# Altium PCB ASP-1.PcbDoc (part 2 of 3) (continued)
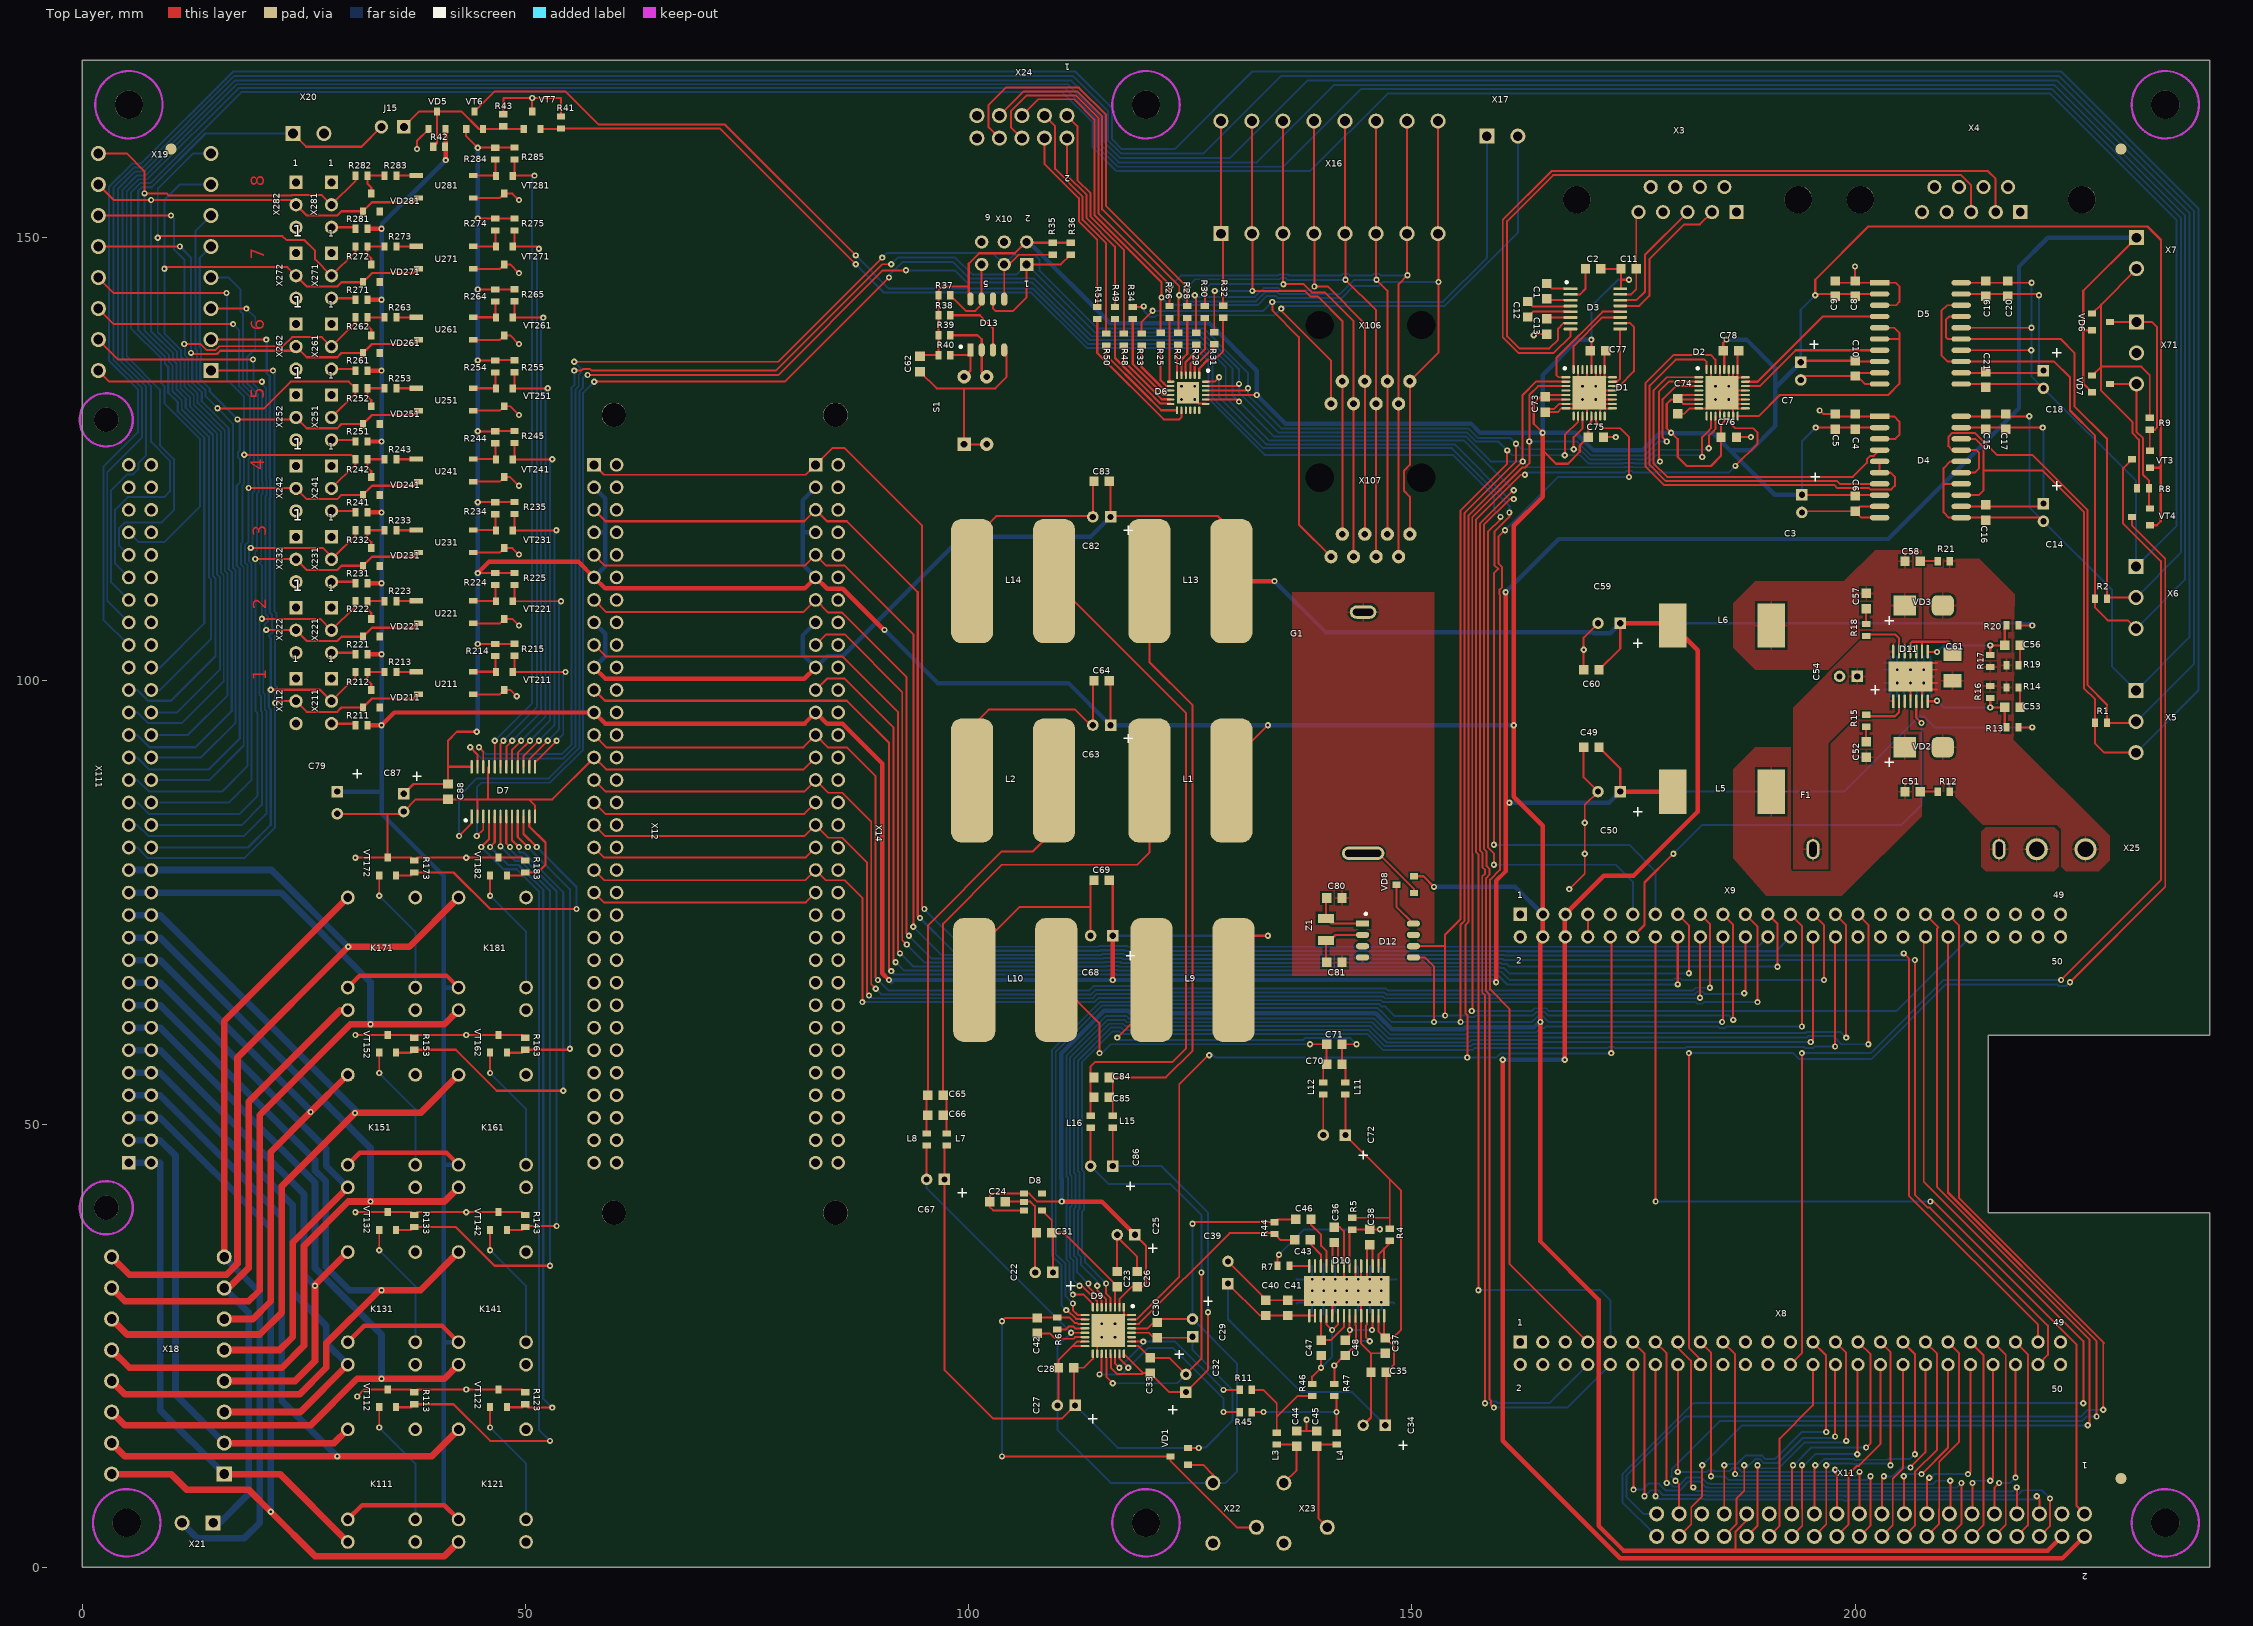
[diagram p0: Top Layer view]
## Nets (pads, with @x,y where several pads share a name; then routed paths per layer and width w, separated by ;. In a path a pad name is that pad's centre, name@x,y a point inside that pad or via, vN(x,y) a via of type N, cw(c..) or ccw(c..) an arc to the next point about the centre after c; other vN are vias at no path point) (continued)
  Top Layer w0.22: v1(19,115) 27.11,115 X231.2@28.25,113.86 ; X231.2@28.1,113.71 X231.2@28.25,113.86 ; R232.2@30.825,117 30.825,116.435 X231.2@28.25,113.86
  Bottom Layer w0.22: 8.77,86.27 16.52,86.27 19.085,88.835 19.085,113.203 18.82,113.468 18.82,114.82 v1(19,115) 19.19,115.19 19.19,121.228 19.43,121.468 19.43,122.032 19.37,122.092 19.37,132.174 18.13,133.414 18.13,141.408 17.82,141.718 17.82,144.18 16.5,145.5 X19.7@14.5,145.5
IN_P4: R242.2 X19.8 X111.B18 X241.2 | length 96.6
  Top Layer w0.22: X19.8@1.8,145.5 3.55,143.75 v1(16.25,143.75) ; v1(18.25,125.5) 30.325,125.5 R242.2@30.825,125 30.825,124.435 X241.2@28.1,121.71
  Bottom Layer w0.22: X111.B18@7.77,88.81 14.31,88.81 18.205,92.705 18.205,112.839 17.88,113.164 17.88,115.464 18.07,115.654 18.07,122.032 18.25,122.212 18.25,123.75 v1(18.25,125.5) 18.25,132.049 16.32,133.979 16.32,143.68 v1(16.25,143.75)
IN_P5: R252.2 X19.11 X111.B19 X251.2 | length 92.6
  Top Layer w0.22: v1(15.25,130.75) 20.5,130.75 23.5,133.75 30.075,133.75 R252.2@30.825,133 30.825,132.435 X251.2@28.1,129.71
  Bottom Layer w0.22: X111.B19@7.77,91.35 13.35,91.35 17.295,95.295 17.295,112.462 16.97,112.787 16.97,129.03 v1(15.25,130.75) 13.91,132.09 13.91,132.759 12.85,133.819 12.85,136.181 12.93,136.261 12.93,137.282 12.75,137.462 12.75,150.75 X19.11@14.5,152.5
IN_P6: R262.2 X19.12 X111.B20 X261.2 | length 97.8
  Top Layer w0.22: X19.12@1.8,152.5 v1(10,152.5) ; v1(11.5,138) 13.331,138 14.011,137.32 14.989,137.32 15.419,137.75 22.613,137.75 23.653,138.79 27.02,138.79 X261.2@28.1,137.71 30.825,140.435 R262.2@30.825,141
  Bottom Layer w0.22: X111.B20@7.77,93.89 11.89,93.89 16.385,98.385 16.385,112.085 16.06,112.41 16.06,128.297 13,131.357 13,132.382 11.94,133.442 11.94,136.348 11.57,136.718 11.57,137.93 v1(11.5,138) 11.5,147.538 10.32,148.718 10.32,152.18 v1(10,152.5)
IN_P7: R272.2 X19.15 X111.B21 X271.2 | length 101
  Top Layer w0.22: v1(8.5,150) 8.68,150.18 22.57,150.18 23,149.75 25,149.75 26.25,148.5 26.25,147.56 X271.2@28.1,145.71 30.825,148.435 R272.2@30.825,149
  Bottom Layer w0.22: X111.B21@7.77,96.43 10.68,96.43 15.5,101.25 15.5,111.725 15.18,112.045 15.18,127.932 12.12,130.992 12.12,132.017 11.06,133.077 11.06,135.984 10.69,136.354 10.69,137.134 8.5,139.324 v1(8.5,150) 8.5,155.5 12.5,159.5 X19.15@14.5,159.5
IN_P8: R282.2 X19.16 X111.B22 X281.2 | length 97.1
  Top Layer w0.22: X19.16@1.8,159.5 5,159.5 7,157.5 v1(7,155) 9.5,155 9.75,154.75 23.613,154.75 23.653,154.79 27.02,154.79 X281.2@28.1,153.71 30.825,156.435 R282.2@30.825,157
  Bottom Layer w0.22: v1(7,155) 7,139.537 9.78,136.757 9.78,135.977 10.15,135.607 10.15,132.7 11.21,131.64 11.21,130.615 14.27,127.555 14.27,111.669 14.5,111.439 14.5,104.7 8.77,98.97 X111.B22@7.77,98.97
LCD_AIN0_X+: X9.39 X11.39 | length 126.7
  Top Layer w0.22: X9.39@210.485,73.656 211.75,72.391 211.75,41.628 228.064,25.314 228,25.25 v1(228,17.75)
  Bottom Layer w0.22: X11.39@177.62,6.02 176.108,6.02 174.19,7.938 174.19,10.318 180.872,17 225.5,17 226.25,17.75 v1(228,17.75)
LCD_AIN1_X-: X9.40 X11.37 | length 116.9
  Top Layer w0.22: v1(179.75,9.75) 180.16,9.34 X11.37@180.16,6.02 ; X9.40@210.485,71.116 210.485,42.27 227.25,25.505 v1(227.25,17)
  Bottom Layer w0.22: v1(179.75,9.75) 179.25,10.25 179.32,10.32 179.32,11.032 184.788,16.5 225.622,16.5 226.122,17 v1(227.25,17)
LCD_AIN2_Y+: X9.37 X11.38 | length 120
  Top Layer w0.22: X11.38@180.16,3.48 181.52,4.84 181.52,6.77 182.75,8 v1(182.75,11.5) ; X9.37@207.945,73.656 209.405,72.196 209.25,72.041 209.25,42.883 226.43,25.703 226.43,16.07 226.36,16 v1(226.25,16)
  Bottom Layer w0.22: v1(182.75,11.5) 187.25,16 v1(226.25,16)
LCD_AIN3_Y-: X9.38 X11.40 | length 124.1
  Top Layer w0.22: X9.38@207.945,71.116 207.75,70.921 207.75,43.5 225.75,25.5 v1(225.75,18.5)
  Bottom Layer w0.22: X11.40@177.62,3.48 173.75,7.35 173.75,10.5 181.75,18.5 v1(225.75,18.5)
LCD_B0_VO: X8.19 X11.21 | length 34.9
  Top Layer w0.22: X8.19@185.085,25.396 186.468,24.013 v1(186.468,10.52) ; X11.21@200.48,6.02 200.48,10.73 v1(200.5,10.75)
  Bottom Layer w0.22: v1(186.468,10.52) 186.468,10.468 186.28,10.28 200.03,10.28 v1(200.5,10.75)
LCD_B1_CS1: X8.17 X11.22 | length 41.3
  Top Layer w0.22: X8.17@182.545,25.396 183.75,24.191 v1(183.75,10.25) ; X11.22@200.48,3.48 201.75,4.75 ; 201.75,4.75 v1(201.75,10.25)
  Bottom Layer w0.22: v1(183.75,10.25) 185.288,10.25 185.698,9.84 201.34,9.84 v1(201.75,10.25)
LCD_B2_CS2: X8.16 X11.23 | length 35.5
  Top Layer w0.22: v1(180,10.75) 180,22.851 X8.16@180.005,22.856 ; v1(197.75,11) 197.75,10.63 197.94,10.44 X11.23@197.94,6.02
  Bottom Layer w0.22: v1(180,10.75) 183.288,10.75 183.468,10.93 184.031,10.93 184.141,10.82 185.807,10.82 186.187,11.2 186.75,11.2 187.23,10.72 197.182,10.72 197.462,11 v1(197.75,11)
LCD_B3: X8.34 X11.24 | length 21.5
  Top Layer w0.22: X11.24@197.94,3.48 199.25,4.79 199.25,10.462 200.218,11.43 200.43,11.43 202.865,13.865 X8.34@202.865,22.856
LCD_B4: X8.35 X11.25 | length 30.6
  Top Layer w0.22: X11.25@195.4,6.02 195.4,11.4 v1(195.5,11.5) ; X8.35@205.405,25.396 206.75,24.051 v1(206.75,12.75)
  Bottom Layer w0.22: v1(195.5,11.5) 195.788,11.5 196.468,12.18 199.858,12.18 199.968,12.07 200.532,12.07 200.582,12.12 203.658,12.12 203.718,12.18 206.18,12.18 v1(206.75,12.75)
LCD_B5: X8.33 X11.26 | length 30.4
  Top Layer w0.22: X11.26@195.4,3.48 196.75,4.83 ; 196.75,4.83 v1(196.75,11.5) ; X8.33@202.865,25.396 204,24.261 v1(204,11.5)
  Bottom Layer w0.22: v1(196.75,11.5) 196.93,11.68 199.736,11.68 199.786,11.63 200.714,11.63 200.764,11.68 203.82,11.68 v1(204,11.5)
LCD_B6: X8.31 X11.27 | length 27.4
  Top Layer w0.22: X11.27@192.86,6.02 192.86,11.36 v1(193,11.5) ; X8.31@200.325,25.396 200.354,25.396 201.75,24 201.75,14 v1(201.25,13.5)
  Bottom Layer w0.22: v1@193,11.462 v1(193,11.5) ; v1@193,11.462 195.038,13.5 v1(201.25,13.5)
LCD_B7: X8.32 X11.28 | length 25.4
  Top Layer w0.22: X11.28@192.86,3.48 194.04,4.66 194.04,6.549 194,6.589 v1(194,11.5) ; v1(200.25,12.75) 200.25,22.781 X8.32@200.325,22.856
  Bottom Layer w0.22: v1(194,11.5) 194.25,11.5 195.5,12.75 v1(200.25,12.75)
LCD_DE_E: X8.30 X11.34 | length 29.2
  Top Layer w0.22: X11.34@185.24,3.48 186.6,4.84 186.6,7.701 187.5,8.6 v1(187.5,11.5) ; v1(197.75,14.75) 197.75,22.821 X8.30@197.785,22.856
  Bottom Layer w0.22: v1(187.5,11.5) 187.538,11.5 187.788,11.25 188.718,12.18 189.281,12.18 189.711,11.75 191.25,11.75 194.07,14.57 197.57,14.57 v1(197.75,14.75)
LCD_G0_A0: X8.13 X11.13 | length 53.3
  Top Layer w0.22: X8.13@177.465,25.396 178.75,24.111 v1(178.75,9.5) ; X11.13@210.64,6.02 210.75,6.13 v1(210.75,9.75)
  Bottom Layer w0.22: v1(178.75,9.5) 179.038,9.5 179.468,9.07 180.031,9.07 180.43,9.468 180.43,9.514 181.036,10.12 182.668,10.12 183.338,9.45 183.661,9.45 183.711,9.4 208.812,9.4 209.162,9.75 v1(210.75,9.75)
LCD_G1_R/W: X8.12 X11.14 | length 59.3
  Top Layer w0.22: X8.12@174.925,22.856 175,22.781 v1(175,8.75) ; X11.14@210.64,3.48 212,4.84 v1(212,9.5)
  Bottom Layer w0.22: v1(175,8.75) 176,8.75 176.68,9.43 177.858,9.43 178.658,8.63 180.214,8.63 180.87,9.286 180.87,9.331 181.218,9.68 182.486,9.68 183.156,9.01 183.479,9.01 183.529,8.96 211.46,8.96 v1(212,9.5)
LCD_G2: X8.42 X11.15 | length 21.2
  Top Layer w0.22: X11.15@208.1,6.02 208.1,9.85 208.33,10.08 v1(208.381,10.08) ; v1(212.75,10.5) 213.025,10.775 X8.42@213.025,22.856
  Bottom Layer w0.22: v1(208.381,10.08) 208.53,10.08 208.95,10.5 v1(212.75,10.5)
LCD_G3: X8.39 X11.16 | length 24
  Top Layer w0.22: X11.16@208.1,3.48 209.46,4.84 209.46,6.549 209.5,6.589 209.5,11.878 211.75,14.128 211.75,24.131 X8.39@210.485,25.396
LCD_G4: X8.40 X11.17 | length 20
  Top Layer w0.22: v1(205.5,10.25) 205.5,6.08 X11.17@205.56,6.02 ; v1(207.5,10.5) 210.485,13.485 X8.40@210.485,22.856
  Bottom Layer w0.22: v1(205.5,10.25) 205.75,10.5 v1(207.5,10.5)
LCD_G5: X8.37 X11.18 | length 24
  Top Layer w0.22: X11.18@205.56,3.48 206.75,4.67 206.75,10.75 209.25,13.25 209.25,24.091 X8.37@207.945,25.396
LCD_G6: X8.38 X11.19 | length 20
  Top Layer w0.22: X11.19@203.02,6.02 203.02,10.02 v1(203.25,10.25) ; v1(206.25,11.25) 207.945,12.945 X8.38@207.945,22.856
  Bottom Layer w0.22: v1(203.25,10.25) 204.25,10.25 205.25,11.25 v1(206.25,11.25)
LCD_G7: X8.36 X11.20 | length 20.4
  Top Layer w0.22: X11.20@203.02,3.48 204.25,4.71 204.25,9.962 205.405,11.117 X8.36@205.405,22.856
LCD_HSYNC: X8.29 X11.32 | length 31.7
  Top Layer w0.22: X11.32@187.78,3.48 189,4.7 v1(189,11.5) ; X8.29@197.785,25.396 199,24.181 v1(199,14.25)
  Bottom Layer w0.22: v1(189,11.5) 189,11.32 189.16,11.16 191.41,11.16 194.32,14.07 198.82,14.07 v1(199,14.25)
LCD_PCLK_RST: X8.28 X11.30 | length 21.4
  Top Layer w0.22: X11.30@190.32,3.48 191.5,4.66 191.5,14.5 195.245,18.245 X8.28@195.245,22.856
LCD_R0_DB0: X8.14 X11.5 | length 60.4
  Top Layer w0.22: X8.14@177.465,22.856 177.5,22.821 v1(177.5,8) ; v1(220.5,8) 220.8,7.7 X11.5@220.8,6.02
  Bottom Layer w0.22: v1(177.5,8) 177.81,7.69 182.932,7.69 182.982,7.64 188.451,7.64 188.465,7.626 189.194,7.626 189.207,7.64 198.611,7.64 198.731,7.52 199.095,7.52 199.215,7.64 220.14,7.64 v1(220.5,8)
LCD_R1_DB1: X8.11 X11.6 | length 69.7
  Top Layer w0.22: X8.11@174.925,25.396 176.25,24.071 v1(176.25,8) ; X11.6@220.8,3.48 222,4.68 v1(222,7.75)
  Bottom Layer w0.22: v1(176.25,8) 176.93,8.68 177.782,8.68 178.332,8.13 183.115,8.13 183.165,8.08 188.633,8.08 188.647,8.066 189.011,8.066 189.025,8.08 198.793,8.08 198.913,7.96 199.033,8.08 218.292,8.08 218.892,8.68 221.07,8.68 v1(222,7.75)
LCD_R2_DB2: X8.15 X11.7 | length 57.1
  Top Layer w0.22: X8.15@180.005,25.396 180.005,24.774 181.465,23.314 181.465,9.285 v1(181.75,9) ; v1(218.25,9) 218.26,8.99 X11.7@218.26,6.02
  Bottom Layer w0.22: v1(181.75,9) 181.75,8.884 182.063,8.57 183.297,8.57 183.347,8.52 188.816,8.52 188.829,8.506 188.843,8.52 217.77,8.52 v1(218.25,9)
LCD_R3_DB3: X8.45 X11.8 | length 23
  Top Layer w0.22: X8.45@218.105,25.396 219.5,24.001 219.5,4.72 X11.8@218.26,3.48
LCD_R4_DB4: X8.46 X11.9 | length 18.6
  Top Layer w0.22: X11.9@215.72,6.02 215.72,8.97 v1(216.25,9.5) ; v1(218.105,10.105) X8.46@218.105,22.856
  Bottom Layer w0.22: v1(216.25,9.5) 217.5,9.5 v1(218.105,10.105)
LCD_R5_DB5: X8.43 X11.10 | length 23
  Top Layer w0.22: X8.43@215.565,25.396 217,23.961 217,4.76 X11.10@215.72,3.48
LCD_R6_DB6: X8.44 X11.11 | length 18.8
  Top Layer w0.22: X11.11@213.18,6.02 213.25,6.09 v1(213.25,9.5) ; v1(215.25,9.75) 215.565,10.065 X8.44@215.565,22.856
  Bottom Layer w0.22: v1(213.25,9.5) 213.5,9.75 v1(215.25,9.75)
LCD_R7_DB7: X8.41 X11.12 | length 23.1
  Top Layer w0.22: X8.41@213.025,25.396 214.485,23.936 214.485,22.409 214.5,22.394 214.5,4.8 X11.12@213.18,3.48
LCD_VSYNC: X8.27 X11.33 | length 29.7
  Top Layer w0.22: X11.33@185.24,6.02 185.24,11.49 v1(185.25,11.5) ; X8.27@195.245,25.396 196.705,23.936 196.705,15.295 v1(196.75,15.25)
  Bottom Layer w0.22: v1(185.25,11.5) 185.39,11.64 186.678,11.64 187.658,12.62 189.464,12.62 189.894,12.19 190.94,12.19 194,15.25 v1(196.75,15.25)
MMC1_CLK: X8.21
MMC1_CMD: X8.20
MMC1_DAT0: X8.25
MMC1_DAT1: X8.24
MMC1_DAT2: X8.5
MMC1_DAT3: X8.6
MMC1_DAT4: X8.23
MMC1_DAT5: X8.22
MMC1_DAT6: X8.3
MMC1_DAT7: X8.4
NetC1_1: C1.1 D3.1 | length 2.9
  Top Layer w0.22: C1.1@165.2,144.84 165.79,144.25 D3.1@167.9,144.25
NetC1_2: C1.2 D3.3 | length 2.8
  Top Layer w0.22: C1.2@165.2,143.11 165.36,142.95 D3.3@167.9,142.95
NetC2_1: C2.1 D3.2 | length 4.2
  Top Layer w0.22: D3.2@167.9,143.6 168.975,143.6 169.585,144.21 C2.1@169.585,146.475
NetC12_1: C12.1 D3.4 | length 5.1
  Top Layer w0.22: C12.1@163.05,142.79 163.585,142.255 167.9,142.255 D3.4@167.9,142.3
NetC12_2: C12.2 D3.5 | length 5.1
  Top Layer w0.22: C12.2@163.05,141.06 163.685,141.695 167.855,141.695 D3.5@167.9,141.65
NetC13_2: C13.2 D3.6 | length 2.8
  Top Layer w0.22: C13.2@165.2,140.84 165.36,141 D3.6@167.9,141
NetC14_1: C14.1 C15.2 C16.2 C17.2 D4.12 D4.19 | length 27.2
  Top Layer w0.22: D4.12@211.975,119.682 220.932,119.682 C14.1@221.25,120 ; D4.19@211.975,128.572 v1(221.178,128.572)
  Bottom Layer w0.22: v1(221.178,128.572) 221.25,128.5 C14.1@221.25,120
NetC14_2: C14.2 C15.1 C16.1 C17.1 D4.11 D4.14 D4.16 D4.20 X5.1 X111.A26 | length 425.6
  Top Layer w0.22: D4.14@211.975,122.222 210.028,122.222 210,122.25 ; D4.16@211.975,124.762 210.762,124.762 210,124 210,122.25 ; D4.20@211.975,129.842 v1(219.658,129.842) ; C14.2@221.25,118 220.838,118.412 D4.11@211.975,118.412 210.588,118.412 210,119 210,122.25
  Bottom Layer w0.22: X111.A26@5.23,109.13 3.245,111.115 3.245,121.495 5.015,123.265 5.688,123.265 6.335,123.912 6.335,124.585 7.182,125.432 7.182,133.19 4,136.372 4,155.493 5.977,157.47 6.975,157.47 17.255,167.75 111.5,167.75 115.29,163.96 115.29,160.749 117.039,159 129.5,159 138.25,167.75 222.75,167.75 237.75,152.75 237.75,104.95 X5.1@231.7,98.9 229,101.6 229,110.25 C14.2@221.25,118 219.658,119.592 v1(219.658,129.842)
NetC18_1: C18.1 C19.2 C20.2 C21.2 D5.12 D5.19 | length 26.9
  Top Layer w0.22: D5.12@211.975,134.757 221.007,134.757 C18.1@221.25,135 ; D5.19@211.975,143.647 220.603,143.647 v1(220.75,143.5)
  Bottom Layer w0.22: v1(220.75,143.5) 220.75,135.5 C18.1@221.25,135
NetC18_2: C18.2 C19.1 C20.1 C21.1 D5.11 D5.14 D5.16 D5.20 X6.1 X111.A29 | length 410.3
  Top Layer w0.22: D5.11@211.975,133.487 220.763,133.487 C18.2@221.25,133 ; D5.14@211.975,137.297 v1(219.87,137.297) ; D5.16@211.975,139.837 v1(219.913,139.837) ; D5.20@211.975,144.917 v1(219.917,144.917)
  Bottom Layer w0.22: X111.A29@5.23,116.75 6.335,115.645 9.228,115.645 13.25,119.667 13.25,127.288 9.24,131.298 9.24,133.249 8.87,133.619 8.87,136.38 5.5,139.75 5.5,155.126 6.524,156.15 7.65,156.15 17.93,166.43 110.57,166.43 113.97,163.03 113.97,160.202 116.672,157.5 138.5,157.5 147.25,166.25 222,166.25 236.25,152 236.25,117.45 X6.1@231.7,112.9 231.7,122.55 C18.2@221.25,133 219.917,134.333 v1@219.917,137.25 ; v1(219.87,137.297) v1@219.917,137.25 ; v1(219.913,139.837) v1@219.917,139.833 ; v1(219.917,144.917) v1@219.917,139.833 ; v1@219.917,137.25 v1@219.917,139.833
NetC38_2: C38.2 D10.7 R5.2 R7.2 | length 21.3
  Top Layer w0.22: R7.2@134.825,34 134.825,35.075 v1(135,35.25) ; D10.7@142.975,33.975 142.975,37.8 R5.2@143.25,38.075 143.29,38.115 C38.2@145.25,38.115 v1(146.385,38.115)
  Bottom Layer w0.22: v1(135,35.25) 137.865,38.115 v1(146.385,38.115)
NetC42_1: C42.1 D9.11 R6.2 VD1.3 X22.2 | length 57.4
  Top Layer w0.22: v1(103.75,12.5) VD1.3@122.75,12.5 122.75,12 130.25,4.5 X22.2@132.45,4.5 ; v1(103.75,27.75) 104.115,28.115 C42.1@107.75,28.115 107.81,28.175 R6.2@110,28.175 111.33,28.175 111.935,27.57 112.18,27.57 112.3,27.45 D9.11@113.125,27.45
  Bottom Layer w0.22: v1(103.75,12.5) v1(103.75,27.75)
NetC42_2: C42.2 D9.14 | length 5.7
  Top Layer w0.22: C42.2@107.75,26.385 109.148,26.385 109.763,25.77 111.832,25.77 112.012,25.95 D9.14@113.125,25.95
NetC43_1: C43.1 D10.12 | length 3.5
  Top Layer w0.22: C43.1@138.515,36.925 138.515,36.485 139.725,35.275 D10.12@139.725,33.975
NetC43_2: C43.2 D9.30 R44.2 | length 23
  Top Layer w0.22: D9.30@118.375,27.45 119.2,27.45 129.44,37.69 134.385,37.69 R44.2@134.5,37.575 135.15,36.925 C43.2@136.785,36.925
NetC44_1: C44.1 L3.2 X23.1 | length 7.1
  Top Layer w0.22: L3.2@134.75,13.825 136.81,13.825 C44.1@137,13.635 137,10.95 X23.1@135.55,9.5
NetC45_1: C45.1 L4.2 X23.2 | length 11.8
  Top Layer w0.22: X23.2@140.45,4.5 139.44,5.51 139.44,13.825 L4.2@141.5,13.825
NetC46_1: C46.1 D10.11 | length 6
  Top Layer w0.22: C46.1@138.615,39.25 138.615,38.635 139.75,37.5 139.75,36.25 140.375,35.625 D10.11@140.375,33.975
NetC47_1: C47.1 D10.18 D10.20 R46.1 | length 12.2
  Top Layer w0.22: R46.1@138.75,20.675 138.75,21.5 v1(139.75,22.5) C47.1@139.75,23.885 ; D10.18@140.375,28.375 140.375,27.375 v1(141,26.75) 141.675,27.425 D10.20@141.675,28.375
  Bottom Layer w0.22: v1(139.75,22.5) 141,23.75 v1(141,26.75)
NetC47_2: C47.2 D10.17 D10.21 | length 7.3
  Top Layer w0.22: D10.17@139.725,28.375 139.75,28.35 C47.2@139.75,25.615 140.865,25.615 142.325,27.075 D10.21@142.325,28.375
NetC48_1: C48.1 D10.23 D10.25 R47.1 | length 17.2
  Top Layer w0.22: R47.1@141.15,20.775 R47.1@141.25,20.675 v1(141.25,22.75) 142.385,23.885 C48.1@142.5,23.885 143.68,25.065 143.68,27.25 143.625,27.305 D10.23@143.625,28.375 ; D10.25@144.925,28.375 144.925,27.355 144.82,27.25 144.82,25.93 v1(145.25,25.5)
  Bottom Layer w0.22: v1(141.25,22.75) 144,25.5 v1(145.25,25.5)
NetC48_2: C48.2 D10.22 D10.26 | length 7.1
  Top Layer w0.22: C48.2@142.5,25.615 142.975,26.09 D10.22@142.975,28.375 ; v1(145.5,26.75) 145.575,26.825 D10.26@145.575,28.375
  Bottom Layer w0.22: v1(143,26.75) v1(145.5,26.75)
NetC51_1: C51.1 R12.2 | length 2
  Top Layer w0.25: C51.1@207.365,87.5 R12.2@209.325,87.5
NetC51_2: C51.2 C52.1 D11.3 L5.2 VD2.2
NetC52_2: C52.2 R15.1 | length 1.7
  Top Layer w0.25: C52.2@201.25,93.115 R15.1@201.25,94.825
NetC53_1: C53.1 R14.2 | length 2.3
  Top Layer w0.25: R14.2@218.425,99.25 218.615,99.06 C53.1@218.615,97
NetC53_2: C53.2 D11.7 R13.1 R16.2 | length 12.4
  Top Layer w0.25: D11.7@208.2,97.7 209.2,97.7 v1(209.25,97.75) ; R16.2@215.25,98.075 v1(215.25,97) C53.2@216.885,97 216.885,94.94 R13.1@217.075,94.75
  Bottom Layer w0.25: v1(209.25,97.75) 210,97 v1(215.25,97)
NetC56_1: C56.1 R19.2 | length 2.3
  Top Layer w0.25: R19.2@218.425,101.75 218.615,101.94 C56.1@218.615,104
NetC56_2: C56.2 D11.8 R17.2 R20.2 | length 12.4
  Top Layer w0.25: D11.8@208.2,103.3 208.25,103.25 v1(209.25,103.25) ; R17.2@215.25,102.925 v1(215.25,104) C56.2@216.885,104 216.885,106.06 R20.2@217.075,106.25
  Bottom Layer w0.25: v1(209.25,103.25) 210,104 v1(215.25,104)
NetC57_1: C57.1 R18.2 | length 1.7
  Top Layer w0.25: R18.2@201.25,106.425 C57.1@201.25,108.135
NetC57_2: C57.2 C58.2 D11.12 L6.1 VD3.2
NetC58_1: C58.1 R21.2 | length 2
  Top Layer w0.22: C58.1@207.365,113.5 R21.2@209.325,113.5
NetC61_1: C61.1 D11.9 D11.11 | length 8.1
  Top Layer w0.25: D11.11@206.25,103.3 206.25,104.25 206.42,104.42 207.5,104.42 ; D11.9@207.55,103.3 207.55,104.37 207.5,104.42 ; C61.1@211,103 211,104 210.58,104.42 207.5,104.42
NetC65_1: C65.1 C66.1 L2.2 L8.1 | length 47.8
  Top Layer w0.22: L8.1@95.25,48.925 95.25,53.115 C65.1@95.385,53.25 95.385,72.385 103.75,80.75 107.25,80.75 109.625,83.125 L2.2@109.625,88.75
NetC65_2: C65.2 C66.2 L1.2 L7.1 | length 58.6
  Top Layer w0.22: L7.1@97.5,48.925 97.5,52.865 C65.2@97.115,53.25 97.115,72.615 103.75,79.25 119,79.25 120.375,80.625 L1.2@120.375,88.75
NetC70_1: C70.1 C71.1 L10.2 L12.1 | length 40.8
  Top Layer w0.22: L10.2@109.875,66.25 114.75,61.375 v1(114.75,58) ; v1(138.5,59) C71.1@140.385,59 C70.1@140.385,56.75 140,56.365 L12.1@140,54.675
  Bottom Layer w0.22: v1(114.75,58) 115,58 116,59 v1(138.5,59)
NetC70_2: C70.2 C71.2 L9.2 L11.1 | length 41.7
  Top Layer w0.22: v1(116.75,59.75) 120.625,63.625 L9.2@120.625,66.25 ; L11.1@142.5,54.675 142.5,56.365 C70.2@142.115,56.75 C71.2@142.115,59 v1(143.75,59)
  Bottom Layer w0.22: v1(116.75,59.75) 117,59.5 137.75,59.5 137.93,59.68 143.07,59.68 v1(143.75,59)
NetC80_1: C80.1 D12.1 Z1.1 | length 6.7
  Top Layer w0.22: C80.1@140.385,75.5 140.3,75.415 Z1.1@140.3,73.2 140.895,72.605 D12.1@144.43,72.605
NetC81_1: C81.1 D12.2 Z1.2 | length 7.1
  Top Layer w0.25: Z1.2@140.3,70.7 Z1.2@140.3,70.25 ; C81.1@140.385,68.25 140.3,68.335 Z1.2@140.3,70.25 ; D12.2@144.43,71.335 141.385,71.335 Z1.2@140.3,70.25
NetC84_1: C84.1 C85.1 L14.2 L16.1 | length 76.1
  Top Layer w0.22: L14.2@109.625,111.25 124.5,96.375 124.5,58.5 123,57 114.25,57 113.75,56.5 113.75,54 L16.1@113.75,50.925
NetC84_2: C84.2 C85.2 L13.2 L15.1 | length 70.1
  Top Layer w0.22: L15.1@116.25,50.925 116.25,54.865 C84.2@115.865,55.25 122.25,55.25 125.25,58.25 125.25,97.25 120.375,102.125 L13.2@120.375,111.25
NetD1_1: D1.1 D3.12 | length 12.5
  Top Layer w0.22: D1.1@167.375,134.25 166.55,134.25 166.3,134.5 166.3,136.425 171.525,141.65 D3.12@173.5,141.65
NetD1_14: D1.14 X8.7 | length 123.3
  Top Layer w0.22: v1(160.5,117) 159.75,116.25 159.75,113.25 160.19,112.81 160.19,110.582 159.89,110.282 159.89,109.718 159.93,109.678 159.93,78.68 158.82,77.57 158.82,65.18 161,63 161,34.241 X8.7@169.845,25.396 ; D1.14@170.75,129.875 170.795,129.83 170.795,129.205 171.5,128.5 173.5,128.5 174.5,127.5 v1(174.5,123)
  Bottom Layer w0.22: v1(160.5,117) 166.5,123 v1(174.5,123)
NetD1_22: D1.22 D3.10 | length 10.6
  Top Layer w0.22: 173.377,133.205 172.67,133.205 D1.22@172.625,133.25 173.375,133.25 175.05,134.925 175.05,139.925 174.625,140.35 D3.10@173.5,140.35
NetD1_23: D1.23 D3.9 | length 6.6
  Top Layer w0.22: D1.23@172.625,133.75 172.67,133.795 173.189,133.795 173.5,134.107 D3.9@173.5,139.7
NetD1_32: D1.32 D3.11 | length 9.2
  Top Layer w0.22: D1.32@168.25,135.125 168.25,137.753 171.497,141 D3.11@173.5,141
NetD2_1: D2.1 D4.4 | length 41.6
  Top Layer w0.22: D2.1@182.375,134.25 178.75,134.25 177.25,132.75 177.25,124.538 178.788,123 199.743,123 201.345,124.602 201.345,125.023 201.714,125.392 202.135,125.392 D4.4@202.775,126.032
NetD2_14: D2.14 X8.9 | length 148.2
  Top Layer w0.22: v1(157.5,31.25) 157.5,80.421 157.25,80.671 157.25,118.211 162.288,123.25 v1(162.75,123.25) ; D2.14@185.75,129.875 185.75,129.25 186.5,128.5 188.5,128.5 189,128 189,126.75 v1(186.5,124.25)
  Bottom Layer w0.22: v1(157.5,31.25) 171.25,31.25 172.385,30.115 X8.9@172.385,25.396 ; v1(162.75,123.25) 163,123.5 174.038,123.5 174.218,123.68 174.782,123.68 174.962,123.5 185.75,123.5 v1(186.5,124.25)
NetD2_16: D2.16 D5.5 D5.6 | length 30.2
  Top Layer w0.22: 189.125,129.875 191.5,132.25 203.75,132.25 205,133.5 205,138.5 ; D5.6@202.775,138.567 204.933,138.567 205,138.5 ; D5.5@202.775,139.837 204.413,139.837 205,139.25 205,138.5
  Top Layer w0.25: D2.16@186.75,129.875 189.125,129.875
NetD2_22: D2.22 D5.7 | length 16.8
  Top Layer w0.25: D2.22@187.625,133.25 189.25,133.25 193.297,137.297 D5.7@202.775,137.297
NetD2_23: D2.23 D5.4 | length 18.2
  Top Layer w0.25: D2.23@187.625,133.75 189,133.75 196.357,141.107 D5.4@202.775,141.107
NetD2_30: D2.30 D4.5 D4.6 | length 53.5
  Top Layer w0.22: D2.30@184.25,135.125 184.25,136.25 183.75,136.75 179.5,136.75 176.37,133.62 176.37,124.174 178.424,122.12 197.63,122.12 198,121.75 201.556,121.75 201.714,121.592 204.092,121.592 204.5,122 204.5,123 204.008,123.492 D4.6@202.775,123.492 D4.5@202.775,124.762
NetD2_32: D2.32 D4.7 | length 44.4
  Top Layer w0.22: D2.32@183.25,135.125 183.25,136 183,136.25 179.75,136.25 176.81,133.31 176.81,124.356 178.606,122.56 197.94,122.56 198.278,122.222 D4.7@202.775,122.222
NetD3_7: D3.7 X4.3 | length 80.7
  Top Layer w0.22: D3.7@167.9,140.35 167.1,140.35 166.5,139.75 166.5,138.5 165.5,137.5 162.122,137.5 160.75,138.872 160.75,151.878 165.932,157.06 211.973,157.06 213.1,155.933 X4.3@213.1,152.88
NetD3_8: D3.8 X4.2 | length 85.2
  Top Layer w0.22: D3.8@167.9,139.7 167.9,138.9 166,137 162,137 160.25,138.75 160.25,152 165.75,157.5 215,157.5 215.87,156.63 X4.2@215.87,152.88
NetD3_13: D3.13 X3.2 | length 17.2
  Top Layer w0.22: D3.13@173.5,142.3 175.675,142.3 176.8,143.425 176.8,147.55 180.75,151.5 182.49,151.5 X3.2@183.87,152.88
NetD3_14: D3.14 X3.3 | length 14.1
  Top Layer w0.22: D3.14@173.5,142.95 175.325,142.95 176.3,143.925 176.3,148.08 X3.3@181.1,152.88
NetD4_13: D4.13 D4.18 R1.2 X5.3 X111.A24 | length 432.4
  Top Layer w0.22: D4.13@211.975,120.952 213.952,120.952 214.5,121.5 214.5,123.75 ; D4.18@211.975,127.302 213.576,127.302 214.5,126.378 214.5,123.75 ; X5.3@231.7,91.9 228.1,91.9 227.075,92.925 R1.2@227.075,95.25 227.075,97.925 225.81,99.19 225.81,119.068 221.128,123.75 214.5,123.75
  Bottom Layer w0.22: X111.A24@5.23,104.05 2.365,106.915 2.365,114.25 2.362,114.253 2.362,124.142 6.25,128.03 6.25,132.878 3,136.128 3,155.738 5.612,158.35 6.6,158.35 17,168.75 112,168.75 116.17,164.58 116.17,161.113 117.283,160 123.25,160 132,168.75 223.25,168.75 238.75,153.25 238.75,98.95 X5.3@231.7,91.9
NetD4_15: D4.15 D4.17 R1.1 X5.2 X111.A25 | length 425.4
  Top Layer w0.22: D4.15@211.975,123.492 213.492,123.492 214,124 214,125.75 213.718,126.032 D4.17@211.975,126.032 210.968,126.032 210.5,126.5 210.545,126.545 210.545,127.563 210.924,127.942 213.558,127.942 216,125.5 220,125.5 226.25,119.25 226.25,99.5 228.425,97.325 R1.1@228.425,95.25 231.55,95.25 X5.2@231.7,95.4
  Bottom Layer w0.22: X111.A25@5.23,106.59 2.805,109.015 2.805,123.555 6.742,127.492 6.742,133.008 3.5,136.25 3.5,155.615 5.795,157.91 6.793,157.91 17.133,168.25 111.75,168.25 115.73,164.27 115.73,160.931 117.161,159.5 126.5,159.5 135.25,168.25 223,168.25 238.25,153 238.25,101.95 X5.2@231.7,95.4
NetD5_13: D5.13 D5.18 R2.2 X6.3 X111.A27 | length 409.1
  Top Layer w0.22: D5.18@211.975,142.377 210.377,142.377 209.75,141.75 209.75,136.75 210.473,136.027 D5.13@211.975,136.027 222.473,136.027 224.25,134.25 224.25,130.5 227.075,127.675 R2.2@227.075,109.25 227.075,108.25 228.5,106.825 230.775,106.825 X6.3@231.7,105.9
  Bottom Layer w0.22: X111.A27@5.23,111.67 3.685,113.215 3.685,119.308 5.102,120.725 9.228,120.725 9.875,121.372 9.875,124.828 7.75,126.953 7.75,133.245 4.5,136.495 4.5,155.371 6.159,157.03 7.158,157.03 17.438,167.31 111.19,167.31 114.85,163.65 114.85,160.567 116.917,158.5 132.5,158.5 141.25,167.25 222.5,167.25 237.25,152.5 237.25,111.45 X6.3@231.7,105.9
NetD5_15: D5.15 D5.17 R2.1 X6.2 X111.A28 | length 396.9
  Top Layer w0.22: D5.17@211.975,141.107 210.607,141.107 210.25,140.75 210.25,138.75 210.433,138.567 D5.15@211.975,138.567 223.183,138.567 224.75,137 224.75,131 228.425,127.325 R2.1@228.425,109.25 228.575,109.4 X6.2@231.7,109.4
  Bottom Layer w0.22: X111.A28@5.23,114.21 4.125,115.315 4.125,117.208 4.772,117.855 8.898,117.855 10.315,119.272 10.315,125.01 8.75,126.575 8.75,132.867 5,136.617 5,155.249 6.341,156.59 7.34,156.59 17.62,166.87 110.88,166.87 114.41,163.34 114.41,160.384 116.794,158 135.5,158 144.25,166.75 222.25,166.75 236.75,152.25 236.75,114.45 X6.2@231.7,109.4
NetD6_1: D6.1 R32.1 | length 8.1
  Top Layer w0.25: D6.1@126,134.475 126,135.25 127,136.25 127.75,136.25 128.7,137.2 R32.1@128.7,140.975
NetD6_2: D6.2 R31.1 | length 4.4
  Top Layer w0.25: D6.2@125.5,134.475 125.5,135.5 127.7,137.7 R31.1@127.7,137.975
NetD6_3: D6.3 R30.1 | length 7.1
  Top Layer w0.22: D6.3@125,134.475 125,135.75 126.65,137.4 R30.1@126.65,140.925
NetD6_4: D6.4 R29.1 | length 4
  Top Layer w0.25: D6.4@124.5,134.475 124.47,134.505 124.47,135.97 125.65,137.15 R29.1@125.65,137.925
NetD6_5: D6.5 R28.1 | length 6.7
  Top Layer w0.25: D6.5@124,134.475 124,136.25 124.65,136.9 R28.1@124.65,140.925
NetD6_6: D6.6 R27.1 | length 3.5
  Top Layer w0.25: D6.6@123.5,134.475 123.5,137.775 R27.1@123.65,137.925
NetD6_7: D6.7 R26.1 | length 7.2
  Top Layer w0.25: R26.1@122.65,140.925 122.65,133.875 D6.7@122.775,133.75
NetD6_8: D6.8 R25.1 | length 5.5
  Top Layer w0.25: R25.1@121.65,137.925 121.65,133.923 122.005,133.568 122.005,133.555 122.28,133.28 122.805,133.28 D6.8@122.775,133.25
NetD6_9: D6.9 R33.1 | length 6.8
  Top Layer w0.25: R33.1@119.5,137.825 119.5,135.409 121.535,133.374 121.535,133.361 122.116,132.78 122.745,132.78 D6.9@122.775,132.75
NetD6_10: D6.10 R34.1 | length 10.8
  Top Layer w0.25: R34.1@118.5,140.825 118.5,135.744 121.065,133.179 121.065,133.166 121.981,132.25 D6.10@122.775,132.25
NetD6_11: D6.11 R48.1 | length 8.8
  Top Layer w0.25: R48.1@117.5,137.825 117.5,136.079 120.595,132.984 120.595,132.971 121.786,131.78 122.775,131.78 D6.11@122.775,131.75
NetD6_12: D6.12 R49.1 | length 12.8
  Top Layer w0.25: R49.1@116.5,140.825 116.5,136.415 120.125,132.79 120.125,132.777 121.622,131.28 122.745,131.28 D6.12@122.775,131.25
NetD6_13: D6.13 R50.1 | length 11.7
  Top Layer w0.25: R50.1@115.5,137.825 115.5,136.75 119.655,132.595 119.655,132.582 121.712,130.525 D6.13@123.5,130.525
NetD6_14: D6.14 R51.1 | length 17.3
  Top Layer w0.25: R51.1@114.5,140.825 114.5,137 122,129.5 123.75,129.5 124,129.75 D6.14@124,130.525
NetD6_24: D6.24 X8.10 | length 162.1
  Top Layer w0.22: D6.24@126.725,133.75 127.75,133.75 v1(128.25,134.25) ; v1(159.25,18) 158.93,18.32 158.93,18.782 158.75,18.962 158.75,64.628 158.38,64.998 158.38,77.752 158.75,78.122 158.75,78.788 158.43,79.108 158.43,80.736 158.13,81.036 158.13,117.591 161.038,120.5 v1(161.5,120.5)
  Bottom Layer w0.22: v1(128.25,134.25) 128.25,132 133.56,126.69 154.81,126.69 161,120.5 v1(161.5,120.5) ; v1(159.25,18) 167.529,18 X8.10@172.385,22.856